# Altium PCB HK0J2071758B03.PcbDoc (part 3 of 5)
Units mm, origin at the board's own origin, x right, y up, seen from the top; angles counter-clockwise.
Board outline 42.1 x 32.68 mm, 2 copper layers (TOP, BOTTOM), stack 0.321 mm thick; 44 components, 54 nets, 194 pads, 149 vias.
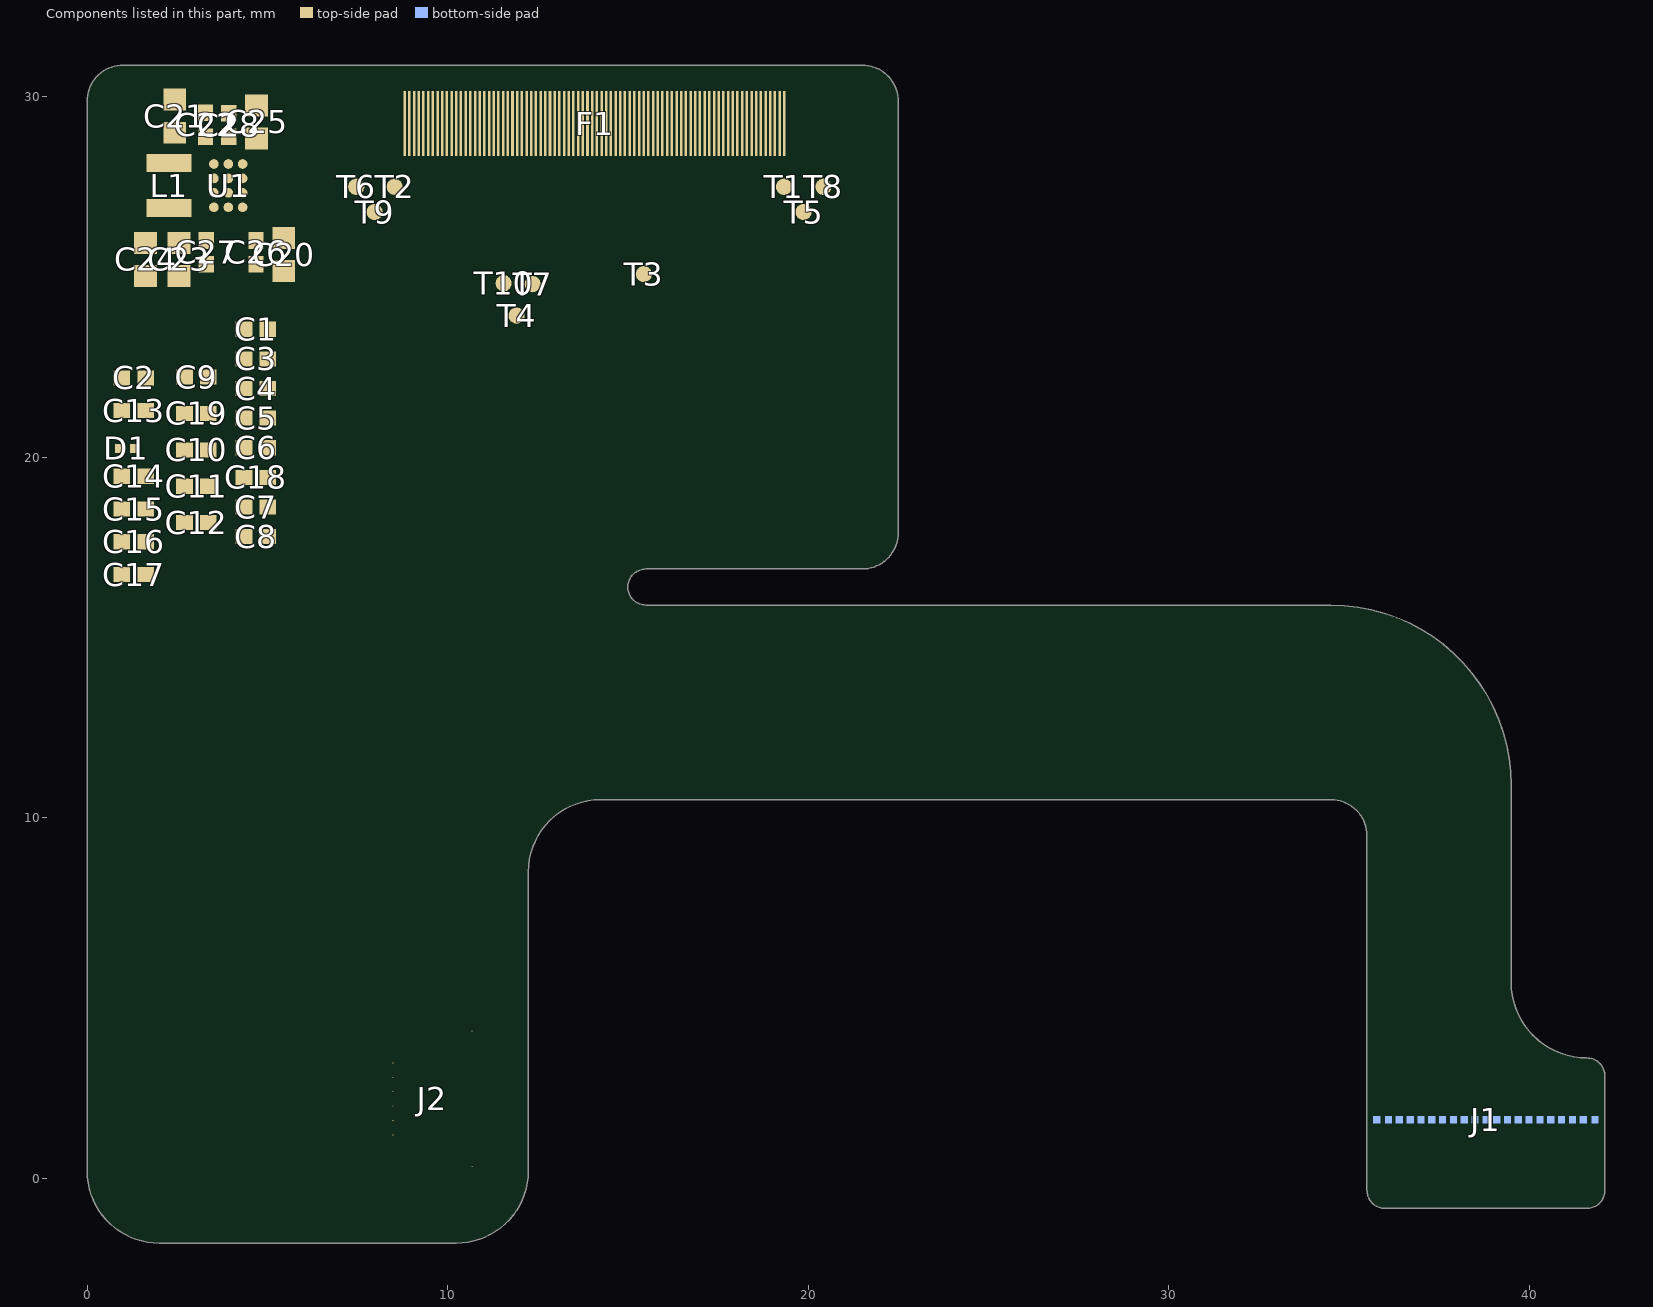
[diagram p3: the components of this part, seen from the top]

## Silkscreen, mask and mechanical layers (free items; w line width, h text height) (continued)
Mechanical 4:
  region: 36.004,-0.841 cw(c36.004,-0.341) 35.504,-0.341 35.504,2.649 42.105,2.649 42.104,-0.341 cw(c41.604,-0.341) 41.604,-0.841
  region: 42.104,1.609 35.504,1.609 35.504,1.709 42.104,1.709
  region: 0.5,15.376 10,15.376 10,26.276 0.5,26.276
  region: 6.296,-1.803 10.24,-1.803 10.24,-1.813 10.632,-1.774 11.009,-1.66 11.357,-1.474 11.661,-1.224 11.911,-0.92 12.097,-0.572 12.211,-0.195 12.25,0.197 12.24,6.076 6.296,6.076
  lines w0.2: -12.764,19.723 -4.48,19.723 -4.382,19.723 -3.313,20.792 -0.445,20.792 ; 12.713,2.065 14.265,2.065 15.626,3.426 23.911,3.426 ; 42.521,0.792 44.073,0.792 45.435,2.154 51.665,2.154
  text "钢片接地T=0.1" at -13.155,20.359 h1.52
  text "FPCB + 钢片" at -12.765,18.2 h1.52
  text "钢片接地T=0.1" at 15.235,4.062 h1.52
  text "T = 0.2 ± 0.3" at 45.043,2.674 h1.52
  text "FPCB + 钢片" at 15.625,1.903 h1.52
  text "FPCB + PI" at 45.635,0.522 h1.52
Mechanical 5:
  region: 0.5,15.376 5,15.376 6.5,23.376 6.5,30.376 0.5,30.376
Board Shape:
  lines w0.1: 36.004,-0.841 cw(c36.004,-0.341) 35.504,-0.341 35.504,2.159 35.504,9.497 ccw(c34.504,9.497) 34.504,10.497 14.24,10.497 ccw(c14.24,8.497) 12.24,8.497 12.24,0.197 cw(c10.24,0.197) 10.24,-1.803 2,-1.803 cw(c2,0.197) 0,0.197 0,29.876 cw(c1,29.876) 1,30.876 21.5,30.876 cw(c21.5,29.876) 22.5,29.876 22.5,17.897 cw(c21.5,17.897) 21.5,16.897 15.5,16.897 ccw(c15.5,16.397) 15.5,15.897 34.504,15.897 cw(c34.504,10.897) 39.504,10.897 39.504,5.434 ccw(c41.604,5.434) 41.604,3.334 cw(c41.604,2.834) 42.104,2.834 42.104,-0.341 cw(c41.604,-0.341) 41.604,-0.841 ; 36.004,-0.841 41.604,-0.841 ; 36.004,-0.841 41.604,-0.841